# Altium PCB Room_Hub 20221215.PcbDoc (part 3 of 3)
Units mm, origin at the board's own origin, x right, y up, seen from the top; angles counter-clockwise.
Board outline 160.13 x 78.13 mm, 2 copper layers (Top Layer, Bottom Layer), stack 0.325 mm thick; 229 components, 191 nets, 714 pads, 601 vias.
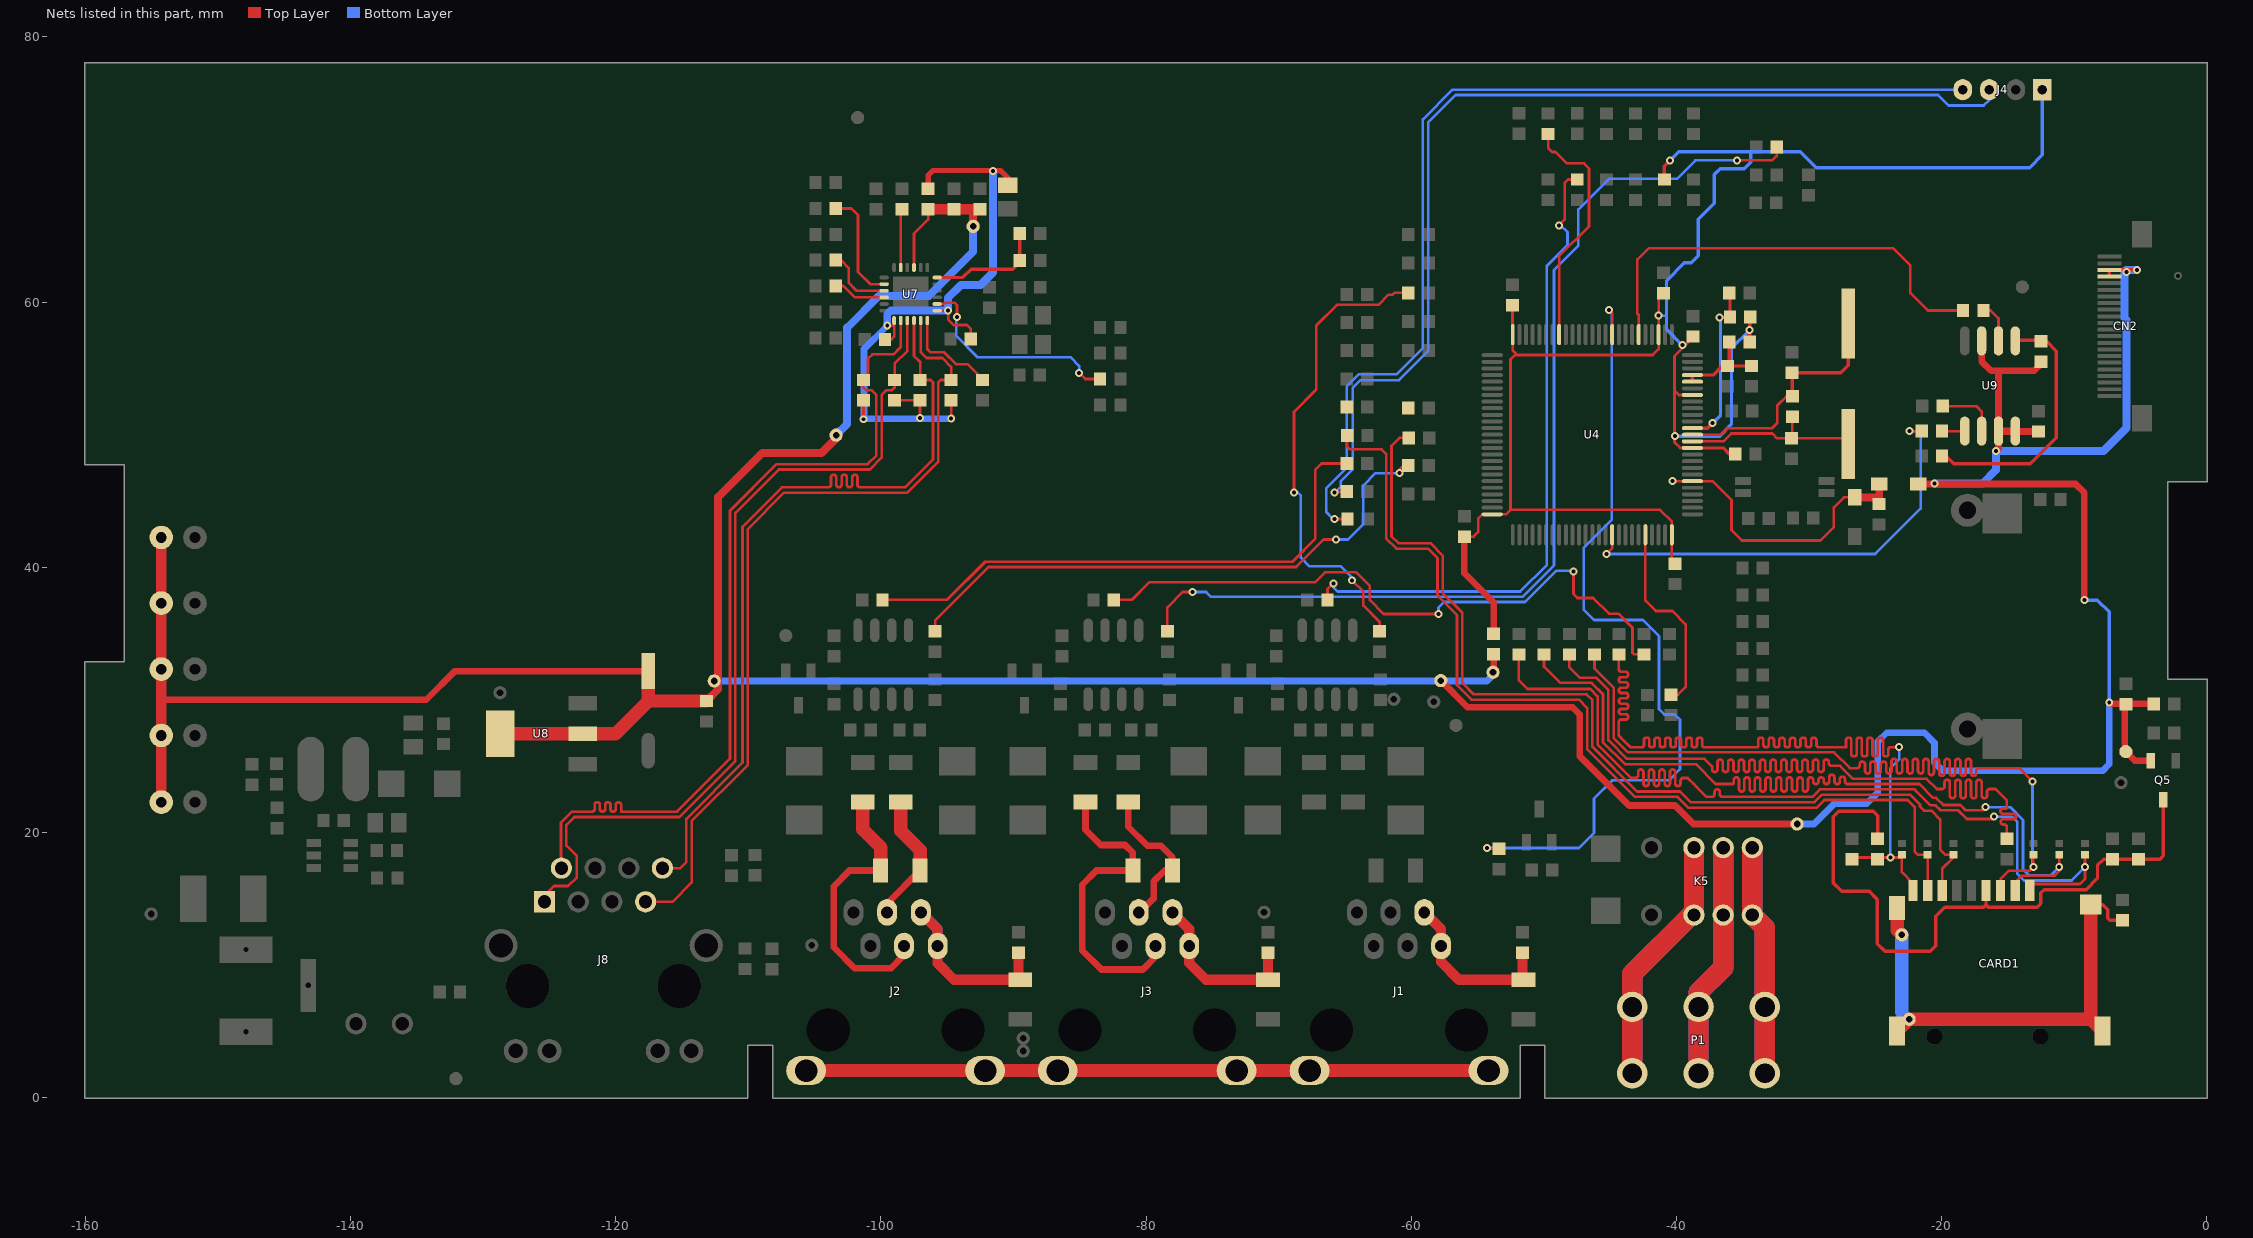
[diagram p3: the nets of this part, all layers, seen from the top]

## Via types
v1: diameter 0.6, hole 0.3, Top Layer to Bottom Layer, 598 vias
v2: diameter 0.5, hole 0.3, Top Layer to Bottom Layer, 3 vias

## Nets (pads, with @x,y where several pads share a name; then routed paths per layer and width w, separated by ;. In a path a pad name is that pad's centre, name@x,y a point inside that pad or via, vN(x,y) a via of type N, cw(c..) or ccw(c..) an arc to the next point about the centre after c; other vN are vias at no path point) (continued)
NetR93_2: R93.2 U7.16 | length 4
  Top Layer w0.203: R93.2@-103.393,61.207 -102.813,61.207 -101.959,60.354 U7.16@-99.751,60.354
NetR98_2: R98.2 U7.15 | length 5.3
  Top Layer w0.203: R98.2@-103.393,63.158 -103.01,63.158 -102.432,62.579 -102.432,61.462 -101.824,60.854 U7.15@-99.751,60.854
NetR100_2: R100.2 U7.24 | length 7.3
  Top Layer w0.2: U7.24@-96.501,58.604 -96.501,56.47 -96.241,56.21 -95.218,56.21 -94.329,55.321 -93.472,55.321 -92.339,54.189 R100.2@-92.339,54.124
NetR110_1: R110.1 U4.91 | length 34.2
  Top Layer w0.2: v1(-45.263,40.996) -44.836,41.423 U4.91@-44.836,42.443 ; v1(-22.403,50.267) R110.1@-21.496,50.267
  Bottom Layer w0.2: v1(-45.263,40.996) -24.994,40.996 -21.565,44.425 -21.565,50.063 -21.768,50.267 v1(-22.403,50.267)
NetR111_2: R111.2 U4.31 | length 33.8
  Top Layer w0.2: U4.31@-42.836,57.543 -42.836,59.018 -42.936,59.119 -42.936,63.207 -42.071,64.071 -23.646,64.071 -22.339,62.765 -22.339,60.668 -21.031,59.36 R111.2@-18.372,59.36
NetR113_1: R113.1 U4.96 | length 14.8
  Top Layer w0.2: U4.96@-42.336,42.443 -42.336,37.484 -41.548,36.697 -40.301,36.697 -39.294,35.69 -39.294,30.963 -39.87,30.386 R113.1@-40.386,30.386
NetR114_2: R114.2 U4.43 | length 18.3
  Top Layer w0.2: R114.2@-49.66,72.681 -49.66,71.605 -49.377,71.323 -49.116,71.323 -48.253,70.46 -46.965,70.46 -46.584,70.079 -46.584,65.71 -48.836,63.458 U4.43@-48.836,57.543
NRST: C16.2 R63.1 U4.14 | length 12.3
  Top Layer w0.254: U4.14@-38.786,50.493 -37.645,50.493 v1(-37.262,50.876) ; v1@-36.5,58.877 R63.1@-35.949,58.877 -35.949,60.63 C16.2@-36,60.681
  Bottom Layer w0.254: v1(-37.262,50.876) -36.66,51.478 -36.66,58.733 v1(-36.754,58.826)
OSC_IN: C10.1 R51.1 U4.12 Y1.2 | length 14
  Top Layer w0.2: U4.12@-38.786,49.493 -36.44,49.493 -35.851,50.081 -32.758,50.081 -32.393,49.716 C10.1@-31.318,49.716 ; R51.1@-31.242,51.351 -31.242,49.792 C10.1@-31.318,49.716 ; Y1.2@-27.026,49.289 -27.453,49.716 C10.1@-31.318,49.716
OSC_OUT: C11.1 R51.2 U4.13 Y1.1 | length 18.9
  Top Layer w0.2: U4.13@-38.786,49.993 -36.647,49.993 -36.158,50.481 -32.78,50.481 -32.385,50.876 -32.385,52.197 -31.691,52.891 R51.2@-31.242,52.891
  Top Layer w0.254: R51.2@-31.242,52.891 -31.242,54.653 C11.1@-31.267,54.678 -27.592,54.678 -27.026,55.245 Y1.1@-27.026,58.395
OUT_A: K5.2 K5.7 P1.1 | length 35.9
  Top Layer w1.016: K5.2@-38.883,13.763 K5.2@-38.665,13.763
  Top Layer w1.524: P1.1@-43.323,2.927 P1.1@-43.323,6.827 -43.323,9.324 K5.2@-38.883,13.763 ; K5.2@-38.665,13.763 -38.665,16.657 K5.7@-38.665,18.843
  Bottom Layer w1.016: K5.2@-38.883,13.763 K5.2@-38.665,13.763
  Bottom Layer w1.524: P1.1@-43.323,2.927 P1.1@-43.323,6.827 -43.323,9.324 K5.2@-38.883,13.763 ; K5.2@-38.665,13.763 K5.7@-38.665,18.843
OUT_B: K5.4 K5.5 P1.3 | length 32.6
  Top Layer w1.524: K5.5@-34.265,18.843 K5.4@-34.265,13.763 -33.323,12.821 -33.323,7.927 P1.3@-33.323,2.927
  Bottom Layer w1.524: K5.5@-34.265,18.843 K5.4@-34.265,13.763 -33.323,12.821 -33.323,7.927 P1.3@-33.323,2.927
OUT_COM: K5.3 K5.6 P1.2 | length 33.4
  Top Layer w1.524: P1.2@-38.323,2.927 -38.323,7.927 -36.465,9.785 K5.3@-36.465,13.763 K5.6@-36.465,18.843
  Bottom Layer w1.524: P1.2@-38.323,2.927 -38.323,7.927 -36.465,9.785 K5.3@-36.465,13.763 K5.6@-36.465,18.843
PGND: J1.7 J1.8 J2.7 J2.8 J3.7 J3.8 | length 51.5
  Top Layer w1: J2.7@-105.638,2.027 J2.8@-92.138,2.027 J3.7@-86.664,2.027 J3.8@-73.164,2.027 J1.7@-67.665,2.027 J1.8@-54.165,2.027
RELAY: R83.2 U4.35 | length 62.6
  Top Layer w0.2: v1(-54.28,18.821) -54.216,18.758 R83.2@-53.371,18.758 ; v1(-45.06,59.385) -44.836,59.161 U4.35@-44.836,57.543
  Bottom Layer w0.2: v1(-54.28,18.821) -47.346,18.821 -46.203,19.964 -46.203,22.555 -44.831,23.927 -40.564,23.927 -39.726,24.765 -39.726,28.499 -40.119,28.892 -40.907,28.892 -41.3,29.286 -41.3,34.798 -42.52,36.017 -46.203,36.017 -46.99,36.805 -46.99,41.453 -44.856,43.586 -44.856,59.131 -45.06,59.334 v1(-45.06,59.385)
RMII_CSRDV_R: R96.2 U7.11 | length 4.4
  Top Layer w0.2: U7.11@-98.501,62.604 -98.501,66.91 R96.2@-98.401,67.009
RMII_REFCLK_R: R97.2 U7.14 | length 8.5
  Top Layer w0.203: R97.2@-103.393,67.058 -102.212,67.058 -101.724,66.57 -101.724,62.278 -100.8,61.354 U7.14@-99.751,61.354
SATA_485A: J3.4 R19.1 R116.2 | length 24.3
  Top Layer w0.5: R19.1@-84.562,22.296 -84.562,20.198 -83.414,19.05 -81.585,19.05 -80.992,18.457 R116.2@-80.992,17.12 -83.744,17.12 -84.811,16.053 -84.811,11.1 -83.363,9.652 -80.239,9.652 -79.279,10.612 J3.4@-79.279,11.427
SATA_485B: J3.3 R21.1 R116.1 | length 11.7
  Top Layer w0.5: R21.1@-81.336,22.296 -81.336,20.427 -79.908,18.999 -78.892,18.999 -78.012,18.119 R116.1@-78.012,17.12 -78.588,17.12 -79.426,16.281 -79.426,15.011 -80.471,13.967 J3.3@-80.549,13.967
SD0_CD: C51.2 CARD1.9 D27.2 R78.2 R109.2 | length 72.2
  Top Layer w0.127: C51.2@-26.746,17.975 C51.2@-26.614,18.108
  Top Layer w0.2: R78.2@-44.329,33.421 -44.329,32.309 -44.329,32.289 ccw(c-44.149,32.289) -44.149,32.109 -43.809,32.109 cw(c-43.809,31.929) -43.629,31.929 -43.629,31.889 cw(c-43.809,31.889) -43.809,31.709 -44.149,31.709 ccw(c-44.149,31.529) -44.329,31.529 -44.329,31.489 ccw(c-44.149,31.489) -44.149,31.309 -43.809,31.309 cw(c-43.809,31.129) -43.629,31.129 -43.629,31.089 cw(c-43.809,31.089) -43.809,30.909 -44.149,30.909 ccw(c-44.149,30.729) -44.329,30.729 -44.329,30.689 ccw(c-44.149,30.689) -44.149,30.509 -43.809,30.509 cw(c-43.809,30.329) -43.629,30.329 -43.629,30.289 cw(c-43.809,30.289) -43.809,30.109 -44.149,30.109 ccw(c-44.149,29.929) -44.329,29.929 -44.329,29.889 ccw(c-44.149,29.889) -44.149,29.709 -43.809,29.709 cw(c-43.809,29.529) -43.629,29.529 -43.629,29.489 cw(c-43.809,29.489) -43.809,29.309 -44.149,29.309 ccw(c-44.149,29.129) -44.329,29.129 -44.329,29.089 ccw(c-44.149,29.089) -44.149,28.909 -43.809,28.909 cw(c-43.809,28.729) -43.629,28.729 -43.629,28.689 cw(c-43.809,28.689) -43.809,28.509 -44.149,28.509 ccw(c-44.149,28.329) -44.329,28.329 -44.329,28.109 -44.329,27.711 -44.329,27.285 -43.929,26.886 -43.896,26.853 -43.613,26.57 -43.472,26.428 -43.24,26.428 -42.84,26.428 -42.58,26.428 ccw(c-42.58,26.568) -42.44,26.568 -42.44,26.988 cw(c-42.3,26.988) -42.3,27.128 -42.18,27.128 cw(c-42.18,26.988) -42.04,26.988 -42.04,26.568 ccw(c-41.9,26.568) -41.9,26.428 -41.78,26.428 ccw(c-41.78,26.568) -41.64,26.568 -41.64,26.988 cw(c-41.5,26.988) -41.5,27.128 -41.38,27.128 cw(c-41.38,26.988) -41.24,26.988 -41.24,26.568 ccw(c-41.1,26.568) -41.1,26.428 -40.98,26.428 ccw(c-40.98,26.568) -40.84,26.568 -40.84,26.988 cw(c-40.7,26.988) -40.7,27.128 -40.58,27.128 cw(c-40.58,26.988) -40.44,26.988 -40.44,26.568 ccw(c-40.3,26.568) -40.3,26.428 -40.18,26.428 ccw(c-40.18,26.568) -40.04,26.568 -40.04,26.988 cw(c-39.9,26.988) -39.9,27.128 -39.78,27.128 cw(c-39.78,26.988) -39.64,26.988 -39.64,26.568 ccw(c-39.5,26.568) -39.5,26.428 -39.38,26.428 ccw(c-39.38,26.568) -39.24,26.568 -39.24,26.988 cw(c-39.1,26.988) -39.1,27.128 -38.98,27.128 cw(c-38.98,26.988) -38.84,26.988 -38.84,26.568 ccw(c-38.7,26.568) -38.7,26.428 -38.58,26.428 ccw(c-38.58,26.568) -38.44,26.568 -38.44,26.988 cw(c-38.3,26.988) -38.3,27.128 -38.18,27.128 cw(c-38.18,26.988) -38.04,26.988 -38.04,26.568 ccw(c-37.9,26.568) -37.9,26.428 -37.64,26.428 -37.44,26.428 -33.858,26.428 ccw(c-33.858,26.458) -33.829,26.458 -33.829,26.968 cw(c-33.669,26.968) -33.669,27.128 -33.589,27.128 cw(c-33.589,26.968) -33.429,26.968 -33.429,26.588 ccw(c-33.269,26.588) -33.269,26.428 -33.189,26.428 ccw(c-33.189,26.588) -33.029,26.588 -33.029,26.968 cw(c-32.869,26.968) -32.869,27.128 -32.789,27.128 cw(c-32.789,26.968) -32.629,26.968 -32.629,26.588 ccw(c-32.469,26.588) -32.469,26.428 -32.389,26.428 ccw(c-32.389,26.588) -32.229,26.588 -32.229,26.968 cw(c-32.069,26.968) -32.069,27.128 -31.989,27.128 cw(c-31.989,26.968) -31.829,26.968 -31.829,26.588 ccw(c-31.669,26.588) -31.669,26.428 -31.589,26.428 ccw(c-31.589,26.588) -31.429,26.588 -31.429,26.968 cw(c-31.269,26.968) -31.269,27.128 -31.189,27.128 cw(c-31.189,26.968) -31.029,26.968 -31.029,26.588 ccw(c-30.869,26.588) -30.869,26.428 -30.789,26.428 ccw(c-30.789,26.588) -30.629,26.588 -30.629,26.968 cw(c-30.469,26.968) -30.469,27.128 -30.389,27.128 cw(c-30.389,26.968) -30.229,26.968 -30.229,26.588 ccw(c-30.069,26.588) -30.069,26.428 -29.989,26.428 ccw(c-29.989,26.588) -29.829,26.588 -29.829,26.968 cw(c-29.669,26.968) -29.669,27.128 -29.589,27.128 cw(c-29.589,26.968) -29.429,26.968 -29.429,26.588 ccw(c-29.269,26.588) -29.269,26.428 -29.029,26.428 -28.829,26.428 -27.203,26.428 -27.2,26.428 -27.2,26.968 cw(c-27.04,26.968) -27.04,27.128 -26.96,27.128 cw(c-26.96,26.968) -26.8,26.968 -26.8,26.428 -26.8,25.888 ccw(c-26.64,25.888) -26.64,25.728 -26.56,25.728 ccw(c-26.56,25.888) -26.4,25.888 -26.4,26.428 -26.4,26.968 cw(c-26.24,26.968) -26.24,27.128 -26.16,27.128 cw(c-26.16,26.968) -26,26.968 -26,26.428 -26,25.888 ccw(c-25.84,25.888) -25.84,25.728 -25.76,25.728 ccw(c-25.76,25.888) -25.6,25.888 -25.6,26.428 -25.6,26.968 cw(c-25.44,26.968) -25.44,27.128 -25.36,27.128 cw(c-25.36,26.968) -25.2,26.968 -25.2,26.428 -25.2,25.888 ccw(c-25.04,25.888) -25.04,25.728 -24.96,25.728 ccw(c-24.96,25.888) -24.8,25.888 -24.8,26.428 -24.8,26.968 cw(c-24.64,26.968) -24.64,27.128 -24.56,27.128 cw(c-24.56,26.968) -24.4,26.968 -24.4,26.428 -24.4,25.888 ccw(c-24.24,25.888) -24.24,25.728 -24.16,25.728 ccw(c-24.16,25.888) -24,25.888 -24,26.268 cw(c-23.84,26.268) -23.84,26.428 -23.8,26.428 -23.203,26.428 v1(-23.19,26.441) ; C51.2@-26.614,18.108 v1(-23.851,18.108) -22.99,18.108 -22.99,16.996 -22.138,16.144 CARD1.9@-22.138,15.605
  Bottom Layer w0.2: v1(-23.851,18.108) -23.851,24.841 -23.19,25.502 v1(-23.19,26.441)
SD0_CLK: R50.1 R108.2 | length 72.3
  Top Layer w0.2: R50.1@-48.071,33.421 -48.071,32.45 -47.295,31.674 -46.069,31.674 -45.129,30.734 -45.129,26.954 -43.713,25.539 -37.858,25.539 -37.289,24.97 -37.289,24.749 ccw(c-37.089,24.749) -37.089,24.549 ccw(c-37.089,24.749) -36.889,24.749 -36.889,25.019 -36.889,25.289 cw(c-36.689,25.289) -36.689,25.489 cw(c-36.689,25.289) -36.489,25.289 -36.489,25.019 -36.489,24.749 ccw(c-36.289,24.749) -36.289,24.549 ccw(c-36.289,24.749) -36.089,24.749 -36.089,25.019 -36.089,25.289 cw(c-35.889,25.289) -35.889,25.489 cw(c-35.889,25.289) -35.689,25.289 -35.689,25.019 -35.689,24.749 ccw(c-35.489,24.749) -35.489,24.549 ccw(c-35.489,24.749) -35.289,24.749 -35.289,25.019 -35.289,25.289 cw(c-35.089,25.289) -35.089,25.489 cw(c-35.089,25.289) -34.889,25.289 -34.889,25.019 -34.889,24.749 ccw(c-34.689,24.749) -34.689,24.549 ccw(c-34.689,24.749) -34.489,24.749 -34.489,25.019 -34.489,25.289 cw(c-34.289,25.289) -34.289,25.489 cw(c-34.289,25.289) -34.089,25.289 -34.089,25.019 -34.089,24.749 ccw(c-33.889,24.749) -33.889,24.549 ccw(c-33.889,24.749) -33.689,24.749 -33.689,25.019 -33.689,25.289 cw(c-33.489,25.289) -33.489,25.489 cw(c-33.489,25.289) -33.289,25.289 -33.289,25.019 -33.289,24.749 ccw(c-33.089,24.749) -33.089,24.549 ccw(c-33.089,24.749) -32.889,24.749 -32.889,25.019 -32.889,25.289 cw(c-32.689,25.289) -32.689,25.489 cw(c-32.689,25.289) -32.489,25.289 -32.489,25.019 -32.489,24.749 ccw(c-32.289,24.749) -32.289,24.549 ccw(c-32.289,24.749) -32.089,24.749 -32.089,25.019 -32.089,25.289 cw(c-31.889,25.289) -31.889,25.489 cw(c-31.889,25.289) -31.689,25.289 -31.689,25.019 -31.689,24.749 ccw(c-31.489,24.749) -31.489,24.549 ccw(c-31.489,24.749) -31.289,24.749 -31.289,25.019 -31.289,25.289 cw(c-31.089,25.289) -31.089,25.489 cw(c-31.089,25.289) -30.889,25.289 -30.889,25.019 -30.889,24.749 ccw(c-30.689,24.749) -30.689,24.549 ccw(c-30.689,24.749) -30.489,24.749 -30.489,25.019 -30.489,25.289 cw(c-30.289,25.289) -30.289,25.489 cw(c-30.289,25.289) -30.089,25.289 -30.089,25.019 -30.089,24.749 ccw(c-29.889,24.749) -29.889,24.549 ccw(c-29.889,24.749) -29.689,24.749 -29.689,25.019 -29.689,25.289 cw(c-29.489,25.289) -29.489,25.489 cw(c-29.489,25.289) -29.289,25.289 -29.289,25.019 -29.289,24.749 ccw(c-29.089,24.749) -29.089,24.549 ccw(c-29.089,24.749) -28.889,24.749 -28.889,25.019 -28.889,25.289 cw(c-28.689,25.289) -28.689,25.489 cw(c-28.689,25.289) -28.489,25.289 -28.489,25.219 ccw(c-28.289,25.219) -28.289,25.019 -28.089,25.019 -27.889,25.019 -27.649,25.019 -26.671,24.041 -21.12,24.041 -20.345,23.266 -19.964,23.266 ccw(c-19.964,23.466) -19.764,23.466 -19.764,23.766 cw(c-19.564,23.766) -19.564,23.966 cw(c-19.564,23.766) -19.364,23.766 -19.364,23.266 -19.364,22.766 ccw(c-19.164,22.766) -19.164,22.566 ccw(c-19.164,22.766) -18.964,22.766 -18.964,23.266 -18.964,23.766 cw(c-18.764,23.766) -18.764,23.966 cw(c-18.764,23.766) -18.564,23.766 -18.564,23.266 -18.564,22.766 ccw(c-18.364,22.766) -18.364,22.566 ccw(c-18.364,22.766) -18.164,22.766 -18.164,23.266 -18.164,23.766 cw(c-17.964,23.766) -17.964,23.966 cw(c-17.964,23.766) -17.764,23.766 -17.764,23.266 -17.764,22.766 ccw(c-17.564,22.766) -17.564,22.566 ccw(c-17.564,22.766) -17.364,22.766 -17.364,23.266 -17.364,23.766 cw(c-17.164,23.766) -17.164,23.966 cw(c-17.164,23.766) -16.964,23.766 -16.964,23.266 -16.964,22.766 ccw(c-16.764,22.766) -16.764,22.566 ccw(c-16.764,22.766) -16.564,22.766 -16.564,23.066 cw(c-16.364,23.066) -16.364,23.266 -16.164,23.266 -16.129,23.266 -15.926,23.266 -15.064,22.404 -15.064,21.869 cw(c-15.137,21.869) -15.137,21.796 -15.342,21.796 ccw(c-15.342,21.596) -15.542,21.596 ccw(c-15.342,21.596) -15.342,21.396 -15.064,21.396 -14.564,21.396 cw(c-14.564,21.196) -14.364,21.196 cw(c-14.564,21.196) -14.564,20.996 -15.064,20.996 -15.327,20.996 ccw(c-15.327,20.796) -15.527,20.796 ccw(c-15.327,20.796) -15.327,20.596 -15.264,20.596 cw(c-15.264,20.396) -15.064,20.396 R108.2@-15.064,19.515
SD0_CMD: CARD1.3 D23.2 R39.2 | length 71.7
  Top Layer w0.2: R39.2@-46.169,33.421 -46.169,32.351 -44.729,30.911 -44.729,27.12 -43.637,26.028 -28.093,26.028 -26.905,24.841 -26.365,24.841 ccw(c-26.365,25.041) -26.165,25.041 -26.165,25.139 cw(c-25.965,25.139) -25.965,25.339 cw(c-25.965,25.139) -25.765,25.139 -25.765,24.841 -25.765,24.641 ccw(c-25.565,24.641) -25.565,24.441 ccw(c-25.565,24.641) -25.365,24.641 -25.365,24.841 -25.365,25.139 cw(c-25.165,25.139) -25.165,25.339 cw(c-25.165,25.139) -24.965,25.139 -24.965,24.841 -24.965,24.641 ccw(c-24.765,24.641) -24.765,24.441 ccw(c-24.765,24.641) -24.565,24.641 -24.565,24.841 -24.565,25.139 cw(c-24.365,25.139) -24.365,25.339 cw(c-24.365,25.139) -24.165,25.139 -24.165,24.841 -24.165,24.641 ccw(c-23.965,24.641) -23.965,24.441 ccw(c-23.965,24.641) -23.765,24.641 -23.765,24.841 -23.765,25.341 cw(c-23.565,25.341) -23.565,25.541 cw(c-23.565,25.341) -23.365,25.341 -23.365,24.841 -23.365,24.641 ccw(c-23.165,24.641) -23.165,24.441 ccw(c-23.165,24.641) -22.965,24.641 -22.965,24.841 -22.965,25.341 cw(c-22.765,25.341) -22.765,25.541 cw(c-22.765,25.341) -22.565,25.341 -22.565,24.841 -22.565,24.641 ccw(c-22.365,24.641) -22.365,24.441 ccw(c-22.365,24.641) -22.165,24.641 -22.165,24.841 -22.165,25.341 cw(c-21.965,25.341) -21.965,25.541 cw(c-21.965,25.341) -21.765,25.341 -21.765,24.841 -21.765,24.641 ccw(c-21.565,24.641) -21.565,24.441 ccw(c-21.565,24.641) -21.365,24.641 -21.365,24.841 -21.365,25.341 cw(c-21.165,25.341) -21.165,25.541 cw(c-21.165,25.341) -20.965,25.341 -20.965,24.841 -20.965,24.525 ccw(c-20.765,24.525) -20.765,24.325 ccw(c-20.765,24.525) -20.565,24.525 -20.565,24.841 -20.565,25.341 cw(c-20.365,25.341) -20.365,25.541 cw(c-20.365,25.341) -20.165,25.341 -20.165,24.841 -20.165,24.459 ccw(c-19.965,24.459) -19.965,24.259 ccw(c-19.965,24.459) -19.765,24.459 -19.765,24.841 -19.765,25.341 cw(c-19.565,25.341) -19.565,25.541 cw(c-19.565,25.341) -19.365,25.341 -19.365,24.841 -19.365,24.46 ccw(c-19.165,24.46) -19.165,24.26 ccw(c-19.165,24.46) -18.965,24.46 -18.965,24.841 -18.965,25.341 cw(c-18.765,25.341) -18.765,25.541 cw(c-18.765,25.341) -18.565,25.341 -18.565,24.841 -18.565,24.46 ccw(c-18.365,24.46) -18.365,24.26 ccw(c-18.365,24.46) -18.165,24.46 -18.165,24.841 -18.165,25.341 cw(c-17.965,25.341) -17.965,25.541 cw(c-17.965,25.341) -17.765,25.341 -17.765,24.841 -17.765,24.46 ccw(c-17.565,24.46) -17.565,24.26 ccw(c-17.565,24.46) -17.365,24.46 -17.365,24.641 cw(c-17.165,24.641) -17.165,24.841 -17.12,24.841 -14.122,24.841 v1(-13.132,23.851) ; CARD1.3@-15.538,15.605 -15.538,16.466 -14.891,17.113 -13.335,17.113 v1(-13.064,17.384) D23.2@-13.064,18.304
  Bottom Layer w0.2: v1(-13.132,23.851) -13.132,17.452 v1(-13.064,17.384)
SD0_D0: CARD1.7 D25.2 R45.1 | length 72.3
  Top Layer w0.2: R45.1@-60.181,49.759 -60.884,49.759 -61.484,49.159 -61.484,42.332 -60.96,41.808 -58.556,41.808 -57.607,40.859 -57.607,38.031 -56.14,36.564 -56.14,31.274 -55.277,30.41 -46.768,30.41 -46.329,29.971 -46.329,26.457 -42.954,23.082 -39.719,23.082 -38.913,22.276 -29.56,22.276 -28.995,22.841 -22.377,22.841 -21.622,22.086 -21.622,21.952 -21.311,21.641 -20.752,21.641 -20.091,20.98 -20.091,18.72 -19.676,18.304 D25.2@-19.091,18.304 ; CARD1.7@-19.938,15.605 -19.938,17.261 D25.2@-19.091,18.108
SD0_D1: CARD1.8 D26.2 R46.1 | length 72.9
  Top Layer w0.2: R46.1@-64.829,49.936 -64.829,49.106 -64.618,48.895 -62.23,48.895 -61.884,48.549 -61.884,42.167 -61.119,41.402 -58.725,41.402 -58.014,40.691 -58.014,37.871 -56.54,36.398 -56.54,31.108 -55.442,30.01 -47.351,30.01 -46.729,29.388 -46.729,26.291 -43.12,22.682 -39.903,22.682 -39.065,21.844 -29.426,21.844 -28.829,22.441 -22.543,22.441 -22.022,21.92 -22.022,18.542 -21.784,18.304 D26.2@-21.041,18.304 -21.038,18.301 CARD1.8@-21.038,15.605
SD0_D2: CARD1.1 D21.2 R48.1 | length 72.3
  Top Layer w0.2: R48.1@-51.875,33.421 -51.875,31.471 -51.215,30.81 -46.489,30.81 -45.929,30.25 -45.929,26.623 -43.411,24.105 -43.078,24.105 ccw(c-43.078,24.305) -42.878,24.305 -42.878,24.539 cw(c-42.678,24.539) -42.678,24.739 cw(c-42.678,24.539) -42.478,24.539 -42.478,24.105 -42.478,23.682 ccw(c-42.278,23.682) -42.278,23.482 ccw(c-42.278,23.682) -42.078,23.682 -42.078,24.105 -42.078,24.539 cw(c-41.878,24.539) -41.878,24.739 cw(c-41.878,24.539) -41.678,24.539 -41.678,24.105 -41.678,23.682 ccw(c-41.478,23.682) -41.478,23.482 ccw(c-41.478,23.682) -41.278,23.682 -41.278,24.105 -41.278,24.539 cw(c-41.078,24.539) -41.078,24.739 cw(c-41.078,24.539) -40.878,24.539 -40.878,24.105 -40.878,23.682 ccw(c-40.678,23.682) -40.678,23.482 ccw(c-40.678,23.682) -40.478,23.682 -40.478,24.105 -40.478,24.539 cw(c-40.278,24.539) -40.278,24.739 cw(c-40.278,24.539) -40.078,24.539 -40.078,24.105 -40.078,23.682 ccw(c-39.878,23.682) -39.878,23.482 ccw(c-39.878,23.682) -39.678,23.682 -39.678,23.905 cw(c-39.478,23.905) -39.478,24.105 -39.278,24.105 -39.141,24.105 -39,23.963 -38.717,23.68 -38.468,23.431 -37.713,22.676 -37.313,22.676 ccw(c-37.313,22.876) -37.113,22.876 -37.113,23.041 cw(c-36.913,23.041) -36.913,23.241 cw(c-36.913,23.041) -36.713,23.041 -36.713,22.876 ccw(c-36.513,22.876) -36.513,22.676 -36.313,22.676 -36.119,22.676 -29.726,22.676 -29.16,23.241 -22.022,23.241 -20.822,22.041 -20.441,22.041 -20.066,21.666 -18.745,21.666 -18.085,21.006 -16.205,21.006 v1(-16.027,21.184) ; CARD1.1@-13.338,15.605 -13.338,16.107 -9.547,16.107 -9.165,16.489 v1(-9.165,17.374) D21.2@-9.165,18.304
  Bottom Layer w0.2: v1(-16.027,21.184) -14.681,21.184 -14.275,20.777 -14.275,16.866 -13.773,16.364 -10.174,16.364 v1(-9.165,17.374)
SD0_D3: CARD1.2 D22.2 R49.1 | length 72.4
  Top Layer w0.2: R49.1@-49.973,33.421 -49.973,32.498 -48.749,31.274 -46.387,31.274 -45.529,30.416 -45.529,26.788 -43.879,25.139 -38.524,25.139 -37.027,23.641 -35.763,23.641 ccw(c-35.763,23.734) -35.67,23.734 -35.67,23.949 cw(c-35.47,23.949) -35.47,24.149 cw(c-35.47,23.949) -35.27,23.949 -35.27,23.641 -35.27,23.276 ccw(c-35.07,23.276) -35.07,23.076 ccw(c-35.07,23.276) -34.87,23.276 -34.87,23.641 -34.87,23.949 cw(c-34.67,23.949) -34.67,24.149 cw(c-34.67,23.949) -34.47,23.949 -34.47,23.641 -34.47,23.276 ccw(c-34.27,23.276) -34.27,23.076 ccw(c-34.27,23.276) -34.07,23.276 -34.07,23.641 -34.07,23.949 cw(c-33.87,23.949) -33.87,24.149 cw(c-33.87,23.949) -33.67,23.949 -33.67,23.641 -33.67,23.276 ccw(c-33.47,23.276) -33.47,23.076 ccw(c-33.47,23.276) -33.27,23.276 -33.27,23.641 -33.27,23.949 cw(c-33.07,23.949) -33.07,24.149 cw(c-33.07,23.949) -32.87,23.949 -32.87,23.641 -32.87,23.276 ccw(c-32.67,23.276) -32.67,23.076 ccw(c-32.67,23.276) -32.47,23.276 -32.47,23.641 -32.47,23.949 cw(c-32.27,23.949) -32.27,24.149 cw(c-32.27,23.949) -32.07,23.949 -32.07,23.641 -32.07,23.276 ccw(c-31.87,23.276) -31.87,23.076 ccw(c-31.87,23.276) -31.67,23.276 -31.67,23.641 -31.67,23.949 cw(c-31.47,23.949) -31.47,24.149 cw(c-31.47,23.949) -31.27,23.949 -31.27,23.641 -31.27,23.276 ccw(c-31.07,23.276) -31.07,23.076 ccw(c-31.07,23.276) -30.87,23.276 -30.87,23.641 -30.87,23.949 cw(c-30.67,23.949) -30.67,24.149 cw(c-30.67,23.949) -30.47,23.949 -30.47,23.641 -30.47,23.276 ccw(c-30.27,23.276) -30.27,23.076 ccw(c-30.27,23.276) -30.07,23.276 -30.07,23.641 -30.07,23.949 cw(c-29.87,23.949) -29.87,24.149 cw(c-29.87,23.949) -29.67,23.949 -29.67,23.841 ccw(c-29.47,23.841) -29.47,23.641 ccw(c-29.47,23.841) -29.27,23.841 -29.27,23.949 cw(c-29.07,23.949) -29.07,24.149 cw(c-29.07,23.949) -28.87,23.949 -28.87,23.841 ccw(c-28.67,23.841) -28.67,23.641 ccw(c-28.67,23.841) -28.47,23.841 -28.47,24.141 cw(c-28.27,24.141) -28.27,24.341 cw(c-28.27,24.141) -28.07,24.141 -28.07,23.841 ccw(c-27.87,23.841) -27.87,23.641 ccw(c-27.87,23.841) -27.67,23.841 -27.67,23.992 cw(c-27.47,23.992) -27.47,24.192 cw(c-27.47,23.992) -27.27,23.992 -27.27,23.841 ccw(c-27.07,23.841) -27.07,23.641 -26.87,23.641 -26.67,23.641 -21.66,23.641 -20.625,22.606 -20.396,22.606 -19.856,22.066 -18.58,22.066 -18.18,21.666 -16.891,21.666 v1(-16.662,21.895) ; CARD1.2@-14.438,15.605 -14.438,16.22 -13.945,16.713 -11.481,16.713 -11.115,17.079 v1(-11.115,17.374) D22.2@-11.115,18.304
  Bottom Layer w0.2: v1(-16.662,21.895) -14.808,21.895 -13.843,20.93 -13.843,17.196 -13.411,16.764 -11.724,16.764 v1(-11.115,17.374)
SENS_485A: J2.4 R11.1 R115.2 | length 21.4
  Top Layer w0.5: R115.2@-100.017,17.424 R115.2@-100.017,17.12 -102.362,17.12 -103.556,15.926 -103.556,11.328 -101.981,9.754 -99.238,9.754 -98.253,10.739 J2.4@-98.253,11.427
  Top Layer w1: R11.1@-101.369,22.296 -101.369,20.216 -100.017,18.864 R115.2@-100.017,17.424
SENS_485B: J2.3 R13.1 R115.1 | length 10
  Top Layer w0.5: J2.3@-99.523,13.967 -99.523,14.634 R115.1@-97.037,17.12 R115.1@-97.037,17.424
  Top Layer w1: R13.1@-98.499,22.296 -98.499,20.114 -97.037,18.652 R115.1@-97.037,17.424
SPEED_LED: R95.1 U7.2 | length 16.5
  Top Layer w0.2: U7.2@-95.751,59.854 -95.275,59.854 -95.175,59.954 -94.447,59.954 -94.259,59.766 v1(-94.259,58.877) ; v1(-85.039,54.661) -84.574,54.195 R95.1@-83.467,54.195
  Bottom Layer w0.2: v1(-94.259,58.877) -94.31,58.826 -94.31,57.448 -92.691,55.829 -85.674,55.829 -85.039,55.194 v1(-85.039,54.661)
SPI1_CS: R79.1 R112.1 U9.1 | length 19.9
  Top Layer w0.254: R79.1@-19.956,48.387 -19.66,48.387 -19.075,47.803 -13.284,47.803 -11.328,49.759 -11.328,56.286 -12.073,57.031 R112.1@-12.497,57.031 ; U9.1@-14.427,57.07 -14.39,57.107 R112.1@-12.268,57.107
SPI1_MISO: R111.1 U9.2 | length 3.1
  Top Layer w0.2: R111.1@-16.832,59.36 -16.281,59.36 -15.697,58.776 U9.2@-15.697,57.07
SPI1_MOSI: R110.2 U9.5 | length 1.7
  Top Layer w0.2: R110.2@-19.956,50.267 -18.241,50.267 U9.5@-18.237,50.27
SPI1_SCK: R80.1 U9.6 | length 4.6
  Top Layer w0.2: R80.1@-19.906,52.146 -17.374,52.146 -16.967,51.74 U9.6@-16.967,50.27
SWCLK: J4.4 R37.1 | length 77.8
  Top Layer w0.2: v1(-65.786,43.637) R37.1@-64.803,43.637
  Bottom Layer w0.2: v1(-65.786,43.637) -65.888,43.637 -66.396,44.145 -66.396,45.964 -64.861,47.498 -64.861,53.622 -63.924,54.559 -61.084,54.559 -59.114,56.53 -59.114,73.779 -56.874,76.019 J4.4@-18.388,76.019
SWDIO: J4.3 R35.1 | length 78
  Top Layer w0.2: v1(-65.786,45.644) -65.733,45.697 R35.1@-64.857,45.697
  Bottom Layer w0.2: v1(-65.786,45.644) -65.72,45.644 -65.314,46.05 -65.314,46.48 -64.414,47.379 -64.414,53.503 -63.805,54.112 -60.899,54.112 -58.714,56.298 -58.714,73.547 -56.642,75.619 -20.247,75.619 -19.456,74.828 -16.815,74.828 -16.388,75.255 J4.3@-16.388,76.019
TF_PD: CARD1.10 CARD1.11 CARD1.12 CARD1.13 L4.1 pad.2@-22.987,12.268 pad.3@-22.438,5.905 | length 36.2
  Top Layer w0.254: CARD1.13@-8.738,14.555 -7.849,14.555 -7.442,14.148 -7.442,13.513 -7.288,13.358 L4.1@-6.34,13.358
  Top Layer w1: CARD1.11@-23.338,5.005 pad.3@-22.438,5.905 -8.738,5.905 ; CARD1.10@-23.338,14.305 -23.338,12.619 pad.2@-22.987,12.268 ; CARD1.13@-8.738,14.555 -8.738,5.905 ; CARD1.12@-7.838,5.005 -8.738,5.905
  Bottom Layer w1: -22.987,6.454 pad.2@-22.987,12.268
TPRX_N: J8.8 R92.1 U7.22 | length 62.2
  Top Layer w0.122: R92.1@-97.044,54.124 -97.028,54.14 R92.1@-97.028,54.407
  Top Layer w0.2: J8.8@-116.475,16.806 J8.8@-116.475,17.301 -115.129,17.301 -114.678,17.752 -114.678,21.02 -110.436,25.262 -110.436,43.042 -107.453,46.025 -104.47,46.025 -103.962,46.025 ccw(c-103.962,46.225) -103.762,46.225 -103.762,46.774 cw(c-103.562,46.774) -103.562,46.974 cw(c-103.562,46.774) -103.362,46.774 -103.362,46.225 ccw(c-103.162,46.225) -103.162,46.025 ccw(c-103.162,46.225) -102.962,46.225 -102.962,46.774 cw(c-102.762,46.774) -102.762,46.974 cw(c-102.762,46.774) -102.562,46.774 -102.562,46.225 ccw(c-102.362,46.225) -102.362,46.025 ccw(c-102.362,46.225) -102.162,46.225 -102.162,46.774 cw(c-101.962,46.774) -101.962,46.974 cw(c-101.962,46.774) -101.762,46.774 -101.762,46.225 ccw(c-101.562,46.225) -101.562,46.025 -101.362,46.025 -100.962,46.025 -100.94,46.025 -100.74,46.025 -100.432,46.025 -98.171,46.025 -96.069,48.127 -96.069,53.95 -96.244,54.124 R92.1@-97.044,54.124 ; U7.22@-97.501,58.604 -97.501,55.939 -97.028,55.466 R92.1@-97.028,54.407
TPRX_P: J8.7 R90.1 U7.23 | length 62.1
  Top Layer w0.122: R90.1@-94.692,54.124 R90.1@-94.692,54.381
  Top Layer w0.2: J8.7@-117.745,14.761 -115.719,14.761 -114.275,16.205 -114.275,20.853 -110.033,25.095 -110.033,42.875 -107.29,45.618 -98.007,45.618 -95.666,47.96 -95.666,53.95 -95.492,54.124 R90.1@-94.692,54.124 ; U7.23@-97.001,58.604 -97.001,56.236 -96.544,55.778 -95.352,55.778 -94.692,55.118 R90.1@-94.692,54.381
TPTX_N: J8.2 R88.1 U7.20 | length 65.9
  Top Layer w0.122: R88.1@-101.316,54.124 R88.1@-100.965,54.475
  Top Layer w0.2: J8.2@-124.095,17.301 -124.127,17.332 -124.127,20.73 -123.292,21.565 -121.793,21.565 -121.773,21.565 ccw(c-121.773,21.745) -121.593,21.745 -121.593,22.085 cw(c-121.413,22.085) -121.413,22.265 -121.373,22.265 cw(c-121.373,22.085) -121.193,22.085 -121.193,21.745 ccw(c-121.013,21.745) -121.013,21.565 -120.973,21.565 ccw(c-120.973,21.745) -120.793,21.745 -120.793,22.085 cw(c-120.613,22.085) -120.613,22.265 -120.573,22.265 cw(c-120.573,22.085) -120.393,22.085 -120.393,21.745 ccw(c-120.213,21.745) -120.213,21.565 -120.173,21.565 ccw(c-120.173,21.745) -119.993,21.745 -119.993,22.085 cw(c-119.813,22.085) -119.813,22.265 -119.773,22.265 cw(c-119.773,22.085) -119.593,22.085 -119.593,21.565 -119.583,21.565 -115.367,21.565 -111.379,25.552 -111.379,44.258 -107.86,47.777 -101.002,47.777 -100.341,48.438 -100.341,52.989 -100.702,53.349 -101.106,53.349 -101.316,53.559 R88.1@-101.316,54.124 ; R88.1@-100.965,54.475 -100.965,55.728 -100.635,56.058 -99.035,56.058 -98.501,56.592 U7.20@-98.501,58.604
TPTX_P: J8.1 R86.1 U7.21 | length 65.3
  Top Layer w0.122: R86.1@-98.964,54.124 R86.1@-98.964,54.331
  Top Layer w0.2: J8.1@-125.365,14.761 -125.365,15.224 -124.638,15.951 -123.596,15.951 -122.936,16.612 -122.936,18.212 -123.723,18.999 -123.723,20.563 -123.125,21.161 -115.2,21.161 -110.976,25.385 -110.976,44.091 -107.693,47.374 -100.835,47.374 -99.938,48.271 -99.938,52.989 -99.578,53.349 -99.174,53.349 -98.964,53.559 R86.1@-98.964,54.124 ; R86.1@-98.964,54.331 -98.964,55.352 -98.001,56.315 U7.21@-98.001,58.604
USART1_RX: R16.2 R31.2 | length 43.2
  Top Layer w0.2: R16.2@-95.908,35.164 -95.908,35.969 -91.865,40.011 -68.675,40.011 -66.599,42.088 v1(-65.684,42.088) ; v1(-60.884,47.092) -60.884,47.371 -60.568,47.687 R31.2@-60.217,47.687
  Bottom Layer w0.2: v1(-65.684,42.088) -64.77,42.088 -63.602,43.256 -63.602,46.177 -62.687,47.092 v1(-60.884,47.092)
USART1_TX: R15.2 R30.2 | length 42.3
  Top Layer w0.2: R15.2@-99.87,37.544 -94.993,37.544 -92.126,40.411 -68.961,40.411 -67.221,42.151 -67.221,47.358 -66.756,47.823 R30.2@-64.857,47.823
USART2_RX: R24.2 R28.1 | length 77.6
  Top Layer w0.2: R24.2@-78.39,35.164 -78.39,36.977 -77.241,38.125 v1(-76.505,38.125) ; v1@-35.484,70.688 v1(-35.408,70.688) -32.766,70.688 -32.434,71.021 R28.1@-32.434,71.714
  Bottom Layer w0.2: v1(-76.505,38.125) -75.463,38.125 -75.108,37.77 -51.587,37.77 -49.225,40.132 -49.225,62.408 -47.384,64.249 -47.384,66.992 -45.085,69.291 -39.954,69.291 -38.557,70.688 v1(-35.408,70.688)
USART2_TX: R23.2 R42.2 | length 49.1
  Top Layer w0.2: R23.2@-82.42,37.544 -81.074,37.544 -79.756,38.862 -67.259,38.862 -66.507,39.614 -64.135,39.614 -63.113,38.592 -63.113,37.509 -62.078,36.474 v1(-57.937,36.474) ; v1(-47.752,39.675) -47.752,37.973 -47.46,37.681 -46.266,37.681 -45.085,36.5 -44.374,36.5 -43.307,35.433 -43.307,33.528 -43.2,33.421 R42.2@-42.419,33.421
  Bottom Layer w0.2: v1(-57.937,36.474) -57.937,36.957 -57.525,37.37 -51.422,37.37 -49.066,39.726 -47.803,39.726 v1(-47.752,39.675)
USART3_RX: R8.2 R47.2 | length 35.9
  Top Layer w0.2: v1@-68.834,45.669 -68.834,51.714 -67.158,53.391 -67.158,58.242 -65.608,59.792 -62.459,59.792 -61.697,60.554 -61.392,60.554 -61.254,60.692 R47.2@-60.217,60.692 ; v1(-64.465,39.014) -63.602,38.151 -63.602,37.109 -62.378,35.885 R8.2@-62.378,35.164
  Bottom Layer w0.2: v1(-68.834,45.644) -68.555,45.644 -68.326,45.415 -68.326,40.716 -67.691,40.081 -65.329,40.081 -64.465,39.218 v1(-64.465,39.014)
USART3_TX: R7.2 R32.2 | length 49.8
  Top Layer w0.2: R7.2@-66.307,37.538 -66.307,38.341 v1(-65.862,38.786) ; v1(-48.844,65.786) -48.419,66.211 -48.419,68.98 -48.156,69.243 R32.2@-47.47,69.243
  Bottom Layer w0.2: v1(-65.862,38.786) -65.862,38.481 -65.551,38.17 -51.772,38.17 -49.759,40.183 -49.759,62.738 -48.209,64.287 -48.209,65.278 -48.717,65.786 v1(-48.844,65.786)
USART6_RX: R44.1
USART6_TX: R43.1
VBAT: D10.2 D11.2 R70.1 U4.6 | length 22.5
  Top Layer w0.2: v1(-40.284,46.507) -40.27,46.493 U4.6@-38.786,46.493 -37.269,46.493 -35.839,45.063 -35.839,42.799 -35.052,42.012 -29.134,42.012 -28.118,43.028 -28.118,44.501 -27.354,45.265 D11.2@-26.543,45.265
  Top Layer w0.6: D11.2@-26.543,45.265 -24.692,45.265 ; R70.1@-24.714,44.763 -24.691,44.786 D10.2@-24.691,46.279
VDD3V3: 3.3v.1 C4.2 C39.2 C44.2 C48.1 C59.1 C60.1 CN2.19 CN2.20 D10.1 FB2.1 L3.1 LED1.A LED2.A LED3.A LED4.A LED5.A pad.1@-103.378,49.962 pad.2@-93.04,65.71 pad.3@-112.573,31.42 pad.4 pad.5 pad.6 Q5.2 R106.2 R112.2 U7.9 U8.2 U8.4 U9.3 U9.7 U9.8 | length 353
  Top Layer w0.2: U7.9@-97.501,62.604 -97.501,65.161 -96.435,66.226 L3.1@-96.435,67.009
  Top Layer w0.254: R112.2@-12.421,55.415 R112.2@-12.268,55.567 ; CN2.19@-7.331,61.923 CN2.20@-7.331,62.423 v1(-5.257,62.423)
  Top Layer w0.381: LED1.A@-154.277,42.192 LED1.A@-154.277,42.243
  Top Layer w0.5: -154.201,29.997 -134.29,29.997 -132.128,32.159 C60.1@-117.551,32.159 ; pad.5@-57.76,31.445 -55.753,29.439 -47.828,29.439 -47.295,28.905 -47.295,25.756 -43.561,22.022 -40.107,22.022 -38.71,20.625 pad.6@-30.886,20.625 ; pad.4@-53.823,32.08 -53.772,32.131 FB2.1@-53.772,33.444 ; D10.1@-21.741,46.279 -9.881,46.279 -9.22,45.618 v1(-9.22,37.516) ; U9.3@-16.967,57.07 -16.967,55.524 -16.256,54.813 -13.022,54.813 R112.2@-12.421,55.415 ; v1(-15.875,48.768) -15.697,48.946 U9.7@-15.697,50.27 ; -15.697,54.661 U9.7@-15.697,50.27 ; U9.8@-14.427,50.27 U9.7@-15.697,50.27 ; C4.2@-12.675,50.233 -15.66,50.233 U9.7@-15.697,50.27 ; v1(-7.341,29.794) -7.238,29.691 R106.2@-3.975,29.691 ; C48.1@-6.184,29.575 -6.184,26.189 3.3v.1@-6.086,26.092 -5.395,25.4 Q5.2@-4.214,25.4
  Top Layer w0.6: C59.1@-113.157,29.904 -112.268,30.793 -112.268,45.288 -108.941,48.616 -104.47,48.616 -103.378,49.708 pad.1@-103.378,49.962 ; pad.2@-93.04,65.71 -93.04,67.009
  Top Layer w0.635: LED2.A@-154.277,37.29 LED2.A@-154.226,37.239 ; LED1.A@-154.277,42.192 LED1.A@-154.226,42.243
  Top Layer w0.762: LED5.A@-154.277,22.279 LED4.A@-154.277,27.308 LED3.A@-154.277,32.312 LED2.A@-154.277,37.29 -154.277,42.192 LED1.A@-154.226,42.141
  Top Layer w0.8: L3.1@-96.435,67.009 C39.2@-94.47,67.009 -93.04,67.009
  Top Layer w1: U8.4@-128.703,27.432 U8.2@-122.503,27.432 -120.015,27.432 -117.551,29.896 ; C60.1@-117.551,32.159 -117.551,29.896 ; C59.1@-113.157,29.904 -117.543,29.904 -117.551,29.896
  Bottom Layer w0.254: v1(-9.22,37.516) -8.23,37.516 -7.341,36.627 v1(-7.341,29.794)
  Bottom Layer w0.5: pad.3@-112.573,31.42 -54.28,31.42 -53.823,31.877 pad.4@-53.823,32.08 ; pad.6@-30.886,20.625 -29.616,20.625 -28.067,22.174 -25.629,22.174 -24.79,23.012 -24.79,26.848 -24.13,27.508 -21.285,27.508 -20.523,26.746 -20.523,25.273 -19.888,24.638 -7.849,24.638 -7.341,25.146 v1(-7.341,29.794)
  Bottom Layer w0.6: pad.1@-103.378,49.962 -102.54,50.8 -102.54,58.064 -100.152,60.452 -96.383,60.452 -93.04,63.794 pad.2@-93.04,65.71 ; v1(-20.523,46.33) -16.891,46.33 -15.875,47.346 v1(-15.875,48.768) -7.772,48.768 -6.045,50.496 -6.045,58.634 -6.198,58.787 -6.198,62.296 -6.07,62.423 v1(-5.257,62.423)
  other v1: -6.045,62.255
VDD3V3_ETH: C40.2 C41.2 C45.2 L3.2 R86.2 R88.2 R90.2 R92.2 U7.1 U7.19 | length 53.2
  Top Layer w0.203: v1(-101.316,51.16) R88.2@-101.316,52.584 ; C41.2@-99.687,57.175 -99.212,57.175 -99.001,57.387 -99.001,58.166 ; v1(-99.517,58.217) -99.052,58.217 -99.001,58.166 ; U7.19@-99.001,58.604 -99.001,58.166 ; R86.2@-98.964,52.584 R92.2@-97.044,52.584 -97.044,51.267 v1(-97.053,51.257) ; L3.2@-96.435,68.549 L3.2@-96.435,68.809 ; U7.1@-95.751,59.354 v1(-94.926,59.354) -94.926,58.693 -94.509,58.276 -93.505,58.276 -93.21,57.98 C40.2@-93.21,57.226 ; v1@-94.692,51.461 R90.2@-94.692,52.584
  Top Layer w0.4: L3.2@-96.435,68.809 -96.435,69.554 -96.063,69.926 v1@-91.542,69.926 ; v1(-91.542,69.901) -90.983,69.901 ; -90.983,69.926 -90.424,69.367 C45.2@-90.424,68.81
  Bottom Layer w0.5: v1(-99.517,58.217) -101.27,56.464 -101.27,51.206 v1(-94.691,51.206)
  Bottom Layer w0.6: v1(-99.517,58.217) -99.517,59.08 -99.244,59.354 v1(-94.926,59.354) -94.926,60.325 -93.961,61.29 -92.481,61.29 -91.542,62.23 v1(-91.542,69.901)
VDD3V3_MCU: C20.1 C21.1 C22.1 C23.1 C24.1 C25.1 FB1.1 FB2.2 J4.1 R27.2 R63.2 U4.11 U4.19 U4.28 U4.50 U4.75 U4.100 | length 144.7
  Top Layer w0.2: C23.1@-55.982,42.308 -55.278,42.308 -54.94,42.647 -54.94,43.663 -54.61,43.993 U4.75@-53.886,43.993 -52.832,43.993 -52.502,44.323 ; C24.1@-52.349,59.758 -52.349,57.556 U4.50@-52.336,57.543 -52.336,56.349 -51.994,56.007 ; C25.1@-40.97,60.673 -41.336,60.307 U4.28@-41.336,57.543 -41.336,56.454 -41.783,56.007 -51.994,56.007 ; C22.1@-40.462,40.267 -40.336,40.393 U4.100@-40.336,42.443 -40.336,43.446 -41.212,44.323 -52.502,44.323 ; -39.7,48.993 -40.132,49.425 -40.132,53.323 ; U4.19@-38.786,52.993 -39.802,52.993 -40.132,53.323 ; C21.1@-38.735,57.396 -38.735,57.33 -40.132,55.933 -40.132,53.323 ; -52.502,44.323 -52.502,55.677 -52.172,56.007 -51.994,56.007
  Top Layer w0.254: R27.2@-40.902,69.243 -40.902,70.239 v1(-40.468,70.673) ; -39.7,48.993 U4.11@-38.786,48.993 -36.445,48.993 -35.992,48.539 C20.1@-35.56,48.539 ; FB1.1@-34.46,56.972 -34.46,58.826 R63.2@-34.409,58.877
  Top Layer w0.5: C23.1@-55.982,42.308 -55.982,39.548 -53.772,37.338 FB2.2@-53.772,34.984
  Bottom Layer w0.2: v1(-41.351,58.979) -40.784,58.979 -40.734,58.928
  Bottom Layer w0.254: v1(-40.468,70.673) -40.468,70.687 -39.827,71.328 -34.392,71.328 ; v1(-40.081,49.886) -36.728,49.886 -35.839,50.775 -35.839,56.515 v1(-34.468,57.887) ; v1(-39.548,56.744) -40.734,57.929 -40.734,58.928 -40.734,61.623 -39.39,62.967 -38.862,62.967 -38.349,63.479 -38.349,66.248 -37.135,67.462 -37.135,69.621 -36.695,70.061 -34.866,70.061 -34.392,70.536 -34.392,71.328 ; J4.1@-12.388,76.019 -12.388,71.101 -13.352,70.137 -29.444,70.137 -30.635,71.328 -34.392,71.328
VDD24V_LIN1: C2.1 J1.5 J1.6 RV1.2 | length 13
  Top Layer w0.762: J1.5@-59.01,13.967 -57.74,12.697 J1.6@-57.74,11.427 -57.74,10.216 -56.405,8.881 RV1.2@-51.537,8.881 ; RV1.2@-51.613,8.958 C2.1@-51.613,10.914
VDD24V_SATA: C9.1 J3.5 J3.6 RV3.2 | length 12.9
  Top Layer w0.762: J3.5@-78.009,13.967 -76.739,12.697 J3.6@-76.739,11.427 -76.739,10.14 -75.48,8.881 RV3.2@-70.79,8.881 C9.1@-70.79,10.914
VDD24V_SENS: C7.1 J2.5 J2.6 RV2.2 | length 16.1
  Top Layer w0.762: J2.5@-96.983,13.967 -95.713,12.697 J2.6@-95.713,11.427 -95.713,10.115 -94.479,8.881 RV2.2@-89.484,8.881 ; RV2.2@-89.611,9.008 C7.1@-89.611,10.914
  Bottom Layer w0.762: J2.5@-96.983,13.967 -95.713,12.697 J2.6@-95.713,11.427
VDD_3V3_SD: C49.1 C50.1 CARD1.4 Q5.3 R109.1 | length 50.2
  Top Layer w0.254: R109.1@-24.812,19.515 -24.812,20.367 -24.812,21.256 -25.146,21.59 -27.762,21.59 -28.169,21.184 -28.169,20.396 -28.169,16.18 -27.534,15.545 -25.451,15.545 -24.841,14.935 -24.841,11.608 -24.257,11.024 -20.853,11.024 -20.422,11.455 -20.422,13.665 -19.736,14.351 -16.815,14.351 -16.638,14.528 ; CARD1.4@-16.638,15.605 -16.638,14.528 ; Q5.3@-3.264,22.45 -3.264,18.225 -3.513,17.975 C49.1@-5.138,17.975 C50.1@-7.087,17.975 -7.755,17.975 -8.23,17.501 -8.23,16.535 -9.085,15.68 -12.26,15.68 -12.497,15.443 -12.497,14.63 -12.776,14.351 -16.461,14.351 -16.638,14.528
VDDA: C18.1 C19.1 FB1.2 U4.21 U4.22 | length 7.1
  Top Layer w0.254: U4.21@-38.786,53.993 U4.22@-38.786,54.493 -37.209,54.493 -36.525,55.177 C19.1@-36.144,55.177 ; FB1.2@-36,56.972 -36,55.321 C19.1@-36.144,55.177 ; C18.1@-34.315,55.177 C19.1@-36.144,55.177
VDDDCR: C37.2 C38.2 U7.6 | length 8.9
  Top Layer w0.254: U7.6@-95.751,61.854 -93.823,61.854 -93.193,62.484 -90.068,62.484 -89.512,63.041 C37.2@-89.512,63.149 C38.2@-89.512,65.181
pads on no net: ?.0 CARD1. CN2.23 CN2.24 J1.0 J2.0 J3.0 J7.3 J8. J8.4 J8.5 U4.7 U4.15 U4.17 U4.18 U4.23 U4.36 U4.44 U4.45 U4.46 U4.54 U4.55 U4.67 U4.70 U4.71 U4.77 U4.81 U4.82 U4.85 U4.88 U4.89 U4.90 U7.10

## Polygon pours and split planes (outlines as drawn)
GND on Top Layer "Top Layer-GND" (hatched Horizontal grid 0.2 track 0.3, remove dead copper, pour order 50): 0,78 0,0 -160,0 -160,78
EARTH_ETH on Top Layer "eth" (hatched 90Degree grid 0.1 track 0.2, remove dead copper, pour order 40): -128.66,11.461 -128.66,0.063 -128.692,0.031 -128.661,0 -112.8,0 -112.8,11.419 -112.919,11.537 -112.995,11.461 -128.66,11.461
no net on Top Layer "Top Layer-No Net 1" (hatched Horizontal grid 0.2 track 0.3, shelved, pour order 48): -160,78
TF_PD on Top Layer "Top Layer-No Net" (hatched 90Degree grid 0.1 track 0.2, remove dead copper, pour order 3): -8.814,14.986 -11.125,14.986 -11.836,14.275 -12.522,13.589 -14.376,13.589 -18.542,13.589 -18.999,13.132 -19.609,12.522 -19.609,11.506 -19.609,11.328 -20.345,10.592 -20.599,10.338 -22.428,10.338 -23.419,10.338 -23.673,10.084 -24.486,9.271 -24.486,7.391 -24.486,3.251 -23.825,2.591 -23.089,1.854 -9.982,1.854 -9.068,1.854 -8.128,2.794 -8.026,2.896 -8.026,7.62 -8.026,12.192 -7.493,12.725 -7.214,13.005 -6.426,13.005 -6.426,13.272 -6.34,13.358 -6.749,13.767 -7.366,13.767 -7.442,13.843 -7.442,14.148
GND on Bottom Layer "Bottom Layer-GND" (hatched Horizontal grid 0.2 track 0.3, remove dead copper, pour order 52): -160,78 0,78 0,0 -160,0

## Keep-outs
Keep-Out Layer:
  circle w0.127: c-3.5,6 r1.4
  circle w0.127: c-3.5,72 r1.4
  circle w0.127: c-156.5,6 r1.4
  circle w0.127: c-156.5,72 r1.4
  lines w0.127: -160,12 -160,0 ; -160,0 -152.4,0 ; -160,0 -160,32.8 -157,32.8 -157,47.8 -160,47.8 -160,78 0,78 0,46.5 -3,46.5 -3,31.5 0,31.5 0,0 -8.4,0 -23.2,0 -30.6,0 -47.2,0 -49.85,0 -49.85,4 -51.85,4 -51.85,0 -54.35,0 -67.45,0 -73.35,0 -86.45,0 -92.35,0 -105.45,0 -108.1,0 -108.1,4 -110.1,4 -110.1,0 -112.8,0 -129,0 -143.4,0 -152.4,0 ; -160,0 -152.4,0

## Other copper
Top Layer:
  rectangle net DC5V: -3.038,61.067 -1.59,62.363

## Silkscreen, mask and mechanical layers (free items; w line width, h text height)
Top Overlay:
  text "CLK" at -18.792,72.421 h1 r270
  text "DIO" at -16.792,72.421 h1 r270
  text "GND" at -14.792,72.421 h1 r270
  text "3V3" at -12.792,72.421 h1 r270
  text "ROOM-HUB-V3.0" at -147.168,47.625 h1
  text "Design Data:2022-12-16" at -146.99,45.745 h1
  text "GND" at -136.398,0.533 h1
Bottom Overlay:
  circle w0.127: c-153,42.255 r1.5
  circle w0.127: c-153,37.255 r1.5
  circle w0.127: c-153,22.255 r1.5
  circle w0.127: c-153,27.255 r1.5
  circle w0.127: c-153,32.255 r1.5
  circle w0.127: c-152.948,27.265 r2
  circle w0.127: c-152.948,22.265 r2
  circle w0.127: c-152.948,37.265 r2
  circle w0.127: c-152.948,42.265 r2
  circle w0.127: c-152.948,32.265 r2
  lines w0.127: -101.9,-0.931 -100.9,-0.931 -100.9,-2.631 -101.9,-2.631 ; -101.9,0 -95.9,0 ; -95.9,-0.931 -96.9,-0.931 -96.9,-2.631 -95.9,-2.631 ; -82.9,-0.931 -81.9,-0.931 -81.9,-2.631 -82.9,-2.631 ; -82.9,0 -76.9,0 ; -76.9,-0.931 -77.9,-0.931 -77.9,-2.631 -76.9,-2.631 ; -63.9,-0.931 -62.9,-0.931 -62.9,-2.631 -63.9,-2.631 ; -63.9,0 -57.9,0 ; -57.9,-0.931 -58.9,-0.931 -58.9,-2.631 -57.9,-2.631 ; -44.6,-3.631 -44.6,-2.631 ; -41.6,-3.631 -41.6,-2.631 ; -39.6,-3.631 -39.6,-2.631 ; -36.6,-3.631 -36.6,-2.631 ; -35.6,9.269 -35.6,-2.631 ; -34.6,-3.631 -34.6,-2.631 ; -31.6,-3.631 -31.6,-2.631 ; -30.6,9.269 -30.6,-2.631 -35.6,-2.631 ; -22.7,0 -22.7,-2.5 -11.4,-2.5 -11.4,0 ; -152.4,0.669 -152.4,11.569 ; -152.4,0.669 -152.4,11.569 ; -152.4,0.669 -152.4,-2.631 -143.4,-2.631 -143.4,0.669 ; -152.4,0.669 -147.9,0.669 -143.4,0.669 ; -152.4,11.569 -143.4,11.569 -143.4,0.669 ; -101.9,-2.631 -101.9,-2.331 -101.9,0.369 -95.9,0.369 -95.9,-2.331 -95.9,-2.631 ; -101.9,-2.631 -105.15,-2.631 cw(c-105.15,-2.331) -105.45,-2.331 -105.45,15.169 cw(c-105.15,15.169) -105.15,15.469 -92.65,15.469 cw(c-92.65,15.169) -92.35,15.169 -92.35,-2.331 cw(c-92.65,-2.331) -92.438,-2.543 cw(c-92.65,-2.331) -92.65,-2.631 -95.9,-2.631 ; -82.9,-2.631 -82.9,-2.331 -82.9,0.369 -76.9,0.369 -76.9,-2.331 -76.9,-2.631 ; -82.9,-2.631 -86.15,-2.631 cw(c-86.15,-2.331) -86.45,-2.331 -86.45,15.169 cw(c-86.15,15.169) -86.15,15.469 -73.65,15.469 cw(c-73.65,15.169) -73.35,15.169 -73.35,-2.331 cw(c-73.65,-2.331) -73.438,-2.543 cw(c-73.65,-2.331) -73.65,-2.631 -76.9,-2.631 ; -63.9,-2.631 -63.9,-2.331 -63.9,0.369 -57.9,0.369 -57.9,-2.331 -57.9,-2.631 ; -63.9,-2.631 -67.15,-2.631 cw(c-67.15,-2.331) -67.45,-2.331 -67.45,15.169 cw(c-67.15,15.169) -67.15,15.469 -54.65,15.469 cw(c-54.65,15.169) -54.35,15.169 -54.35,-2.331 cw(c-54.65,-2.331) -54.438,-2.543 cw(c-54.65,-2.331) -54.65,-2.631 -57.9,-2.631 ; -45.6,-2.631 -40.6,-2.631 ; -45.6,-2.631 -45.6,9.269 ; -45.6,-2.631 -47.2,-2.631 -47.2,9.269 -45.6,9.269 ; -45.6,9.269 -40.6,9.269 -40.6,-2.631 ; -40.6,-2.631 -35.6,-2.631 ; -142.4,11.055 -130,11.055 -130,73.973 -142.4,73.973 -142.4,11.055 ; -129,-2.631 -129,13.369 -112.8,13.369 -112.8,-2.631 -129,-2.631 ; -44.85,-4.631 -44.85,-3.631 -41.35,-3.631 -41.35,-4.631 -44.85,-4.631 ; -39.85,-4.631 -36.35,-4.631 -36.35,-3.631 -39.85,-3.631 -39.85,-4.631 ; -34.85,-4.631 -31.35,-4.631 -31.35,-3.631 -34.85,-3.631 -34.85,-4.631 ; -30,11.055 -17.6,11.055 -17.6,73.973 -30,73.973 -30,11.055 ; -23.2,0 -23.2,15 -8.4,15 -8.4,0 -23.2,0

## Text inside footprints (layer, text, board x,y; h text height)
CN1: Top Overlay "+" at -13.386,43.028 h1
E1: Top Overlay "-" at -15.748,25.629 h1 r90; Top Overlay "+" at -16.256,44.933 h1